# Altium PCB LimeSDR-Micro_M.2_2280_1v1.PcbDoc (part 1 of 7)
Units mm, origin at the board's own origin, x right, y up, seen from the top; angles counter-clockwise.
Board outline 80 x 22 mm, 8 copper layers (Top, L2, L3, L4, L5, L6, L7, Bottom), stack 0.775 mm thick; 661 components, 371 nets, 2334 pads, 815 vias.
Unrouted connection lines stored in the file: 254.
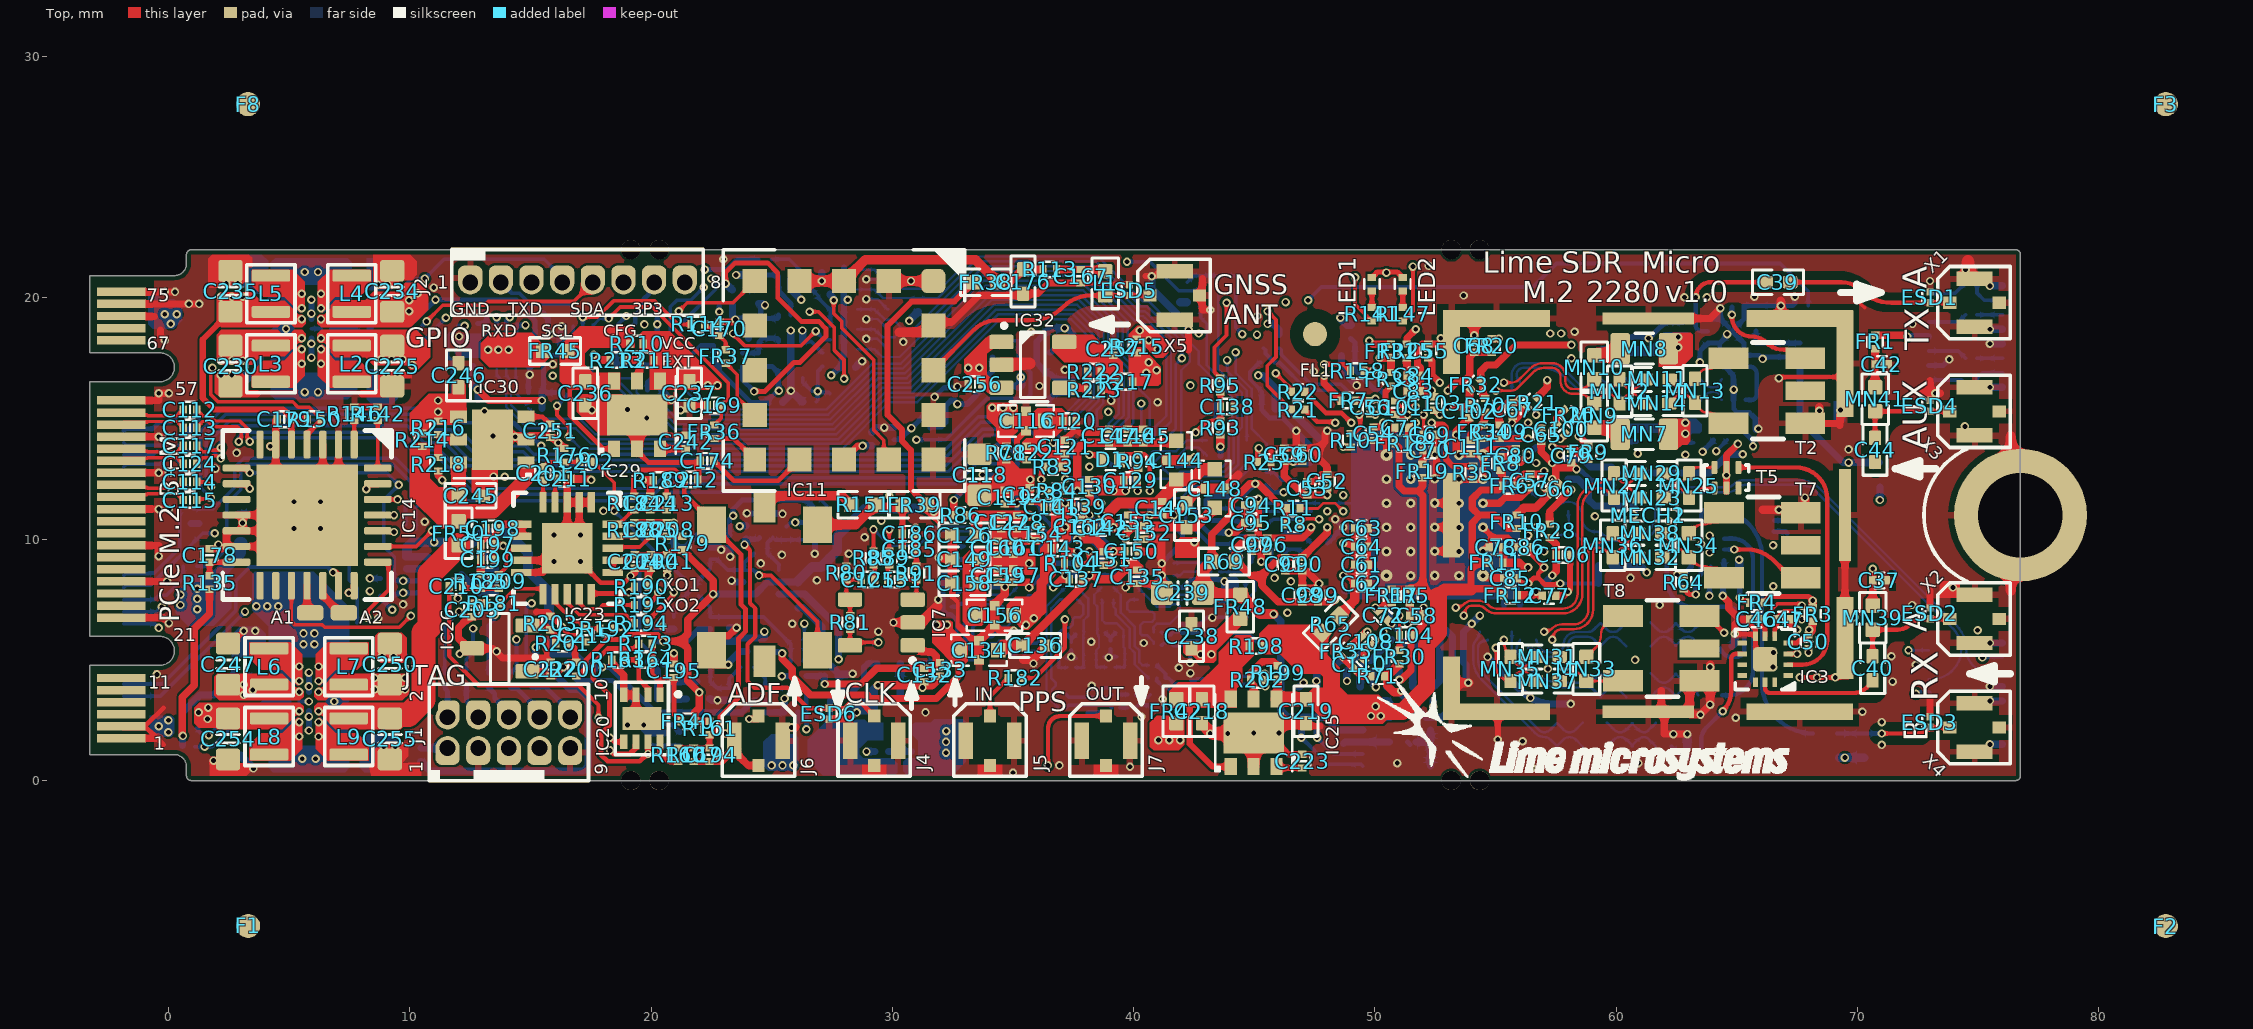
[diagram p0: Top view]
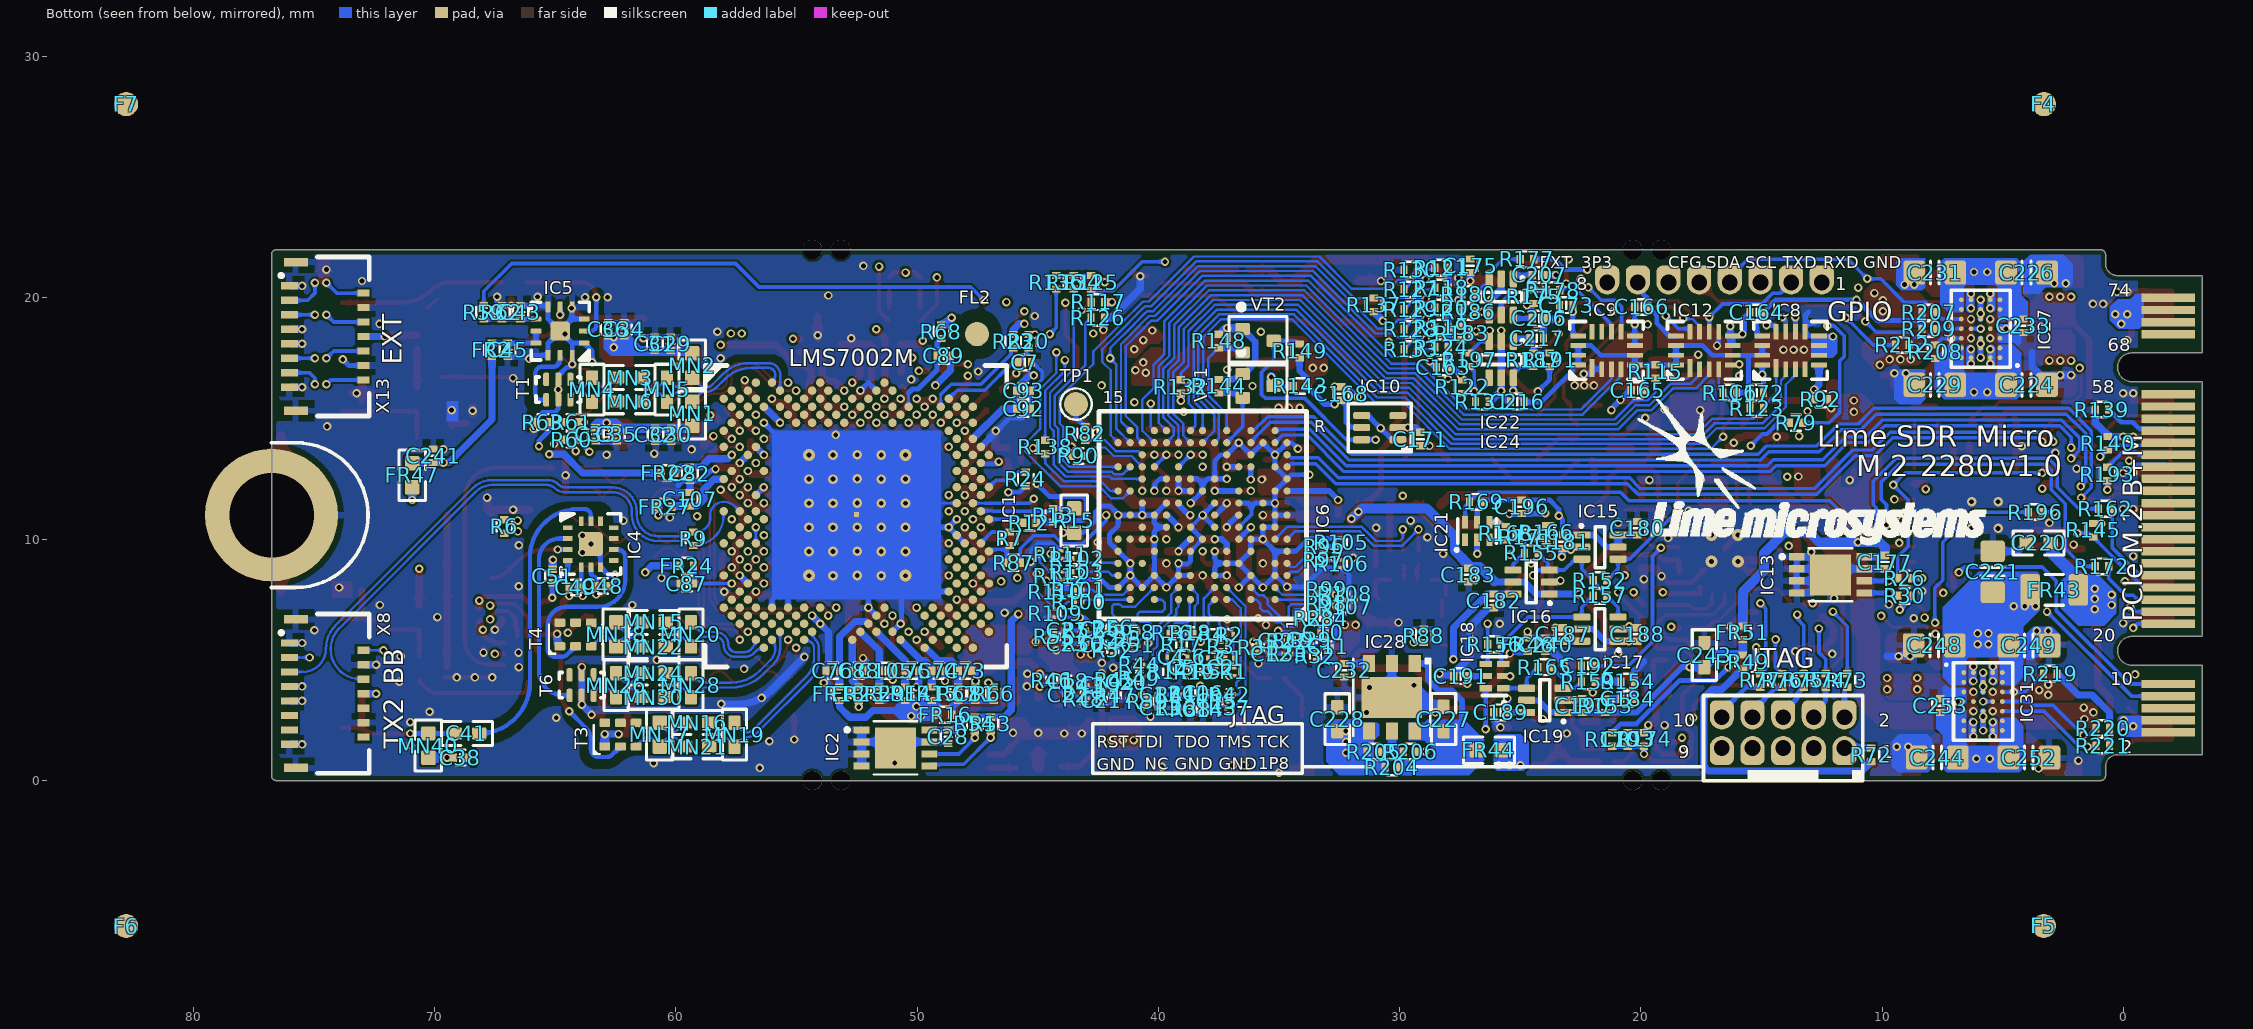
[diagram p1: Bottom view, seen from below]
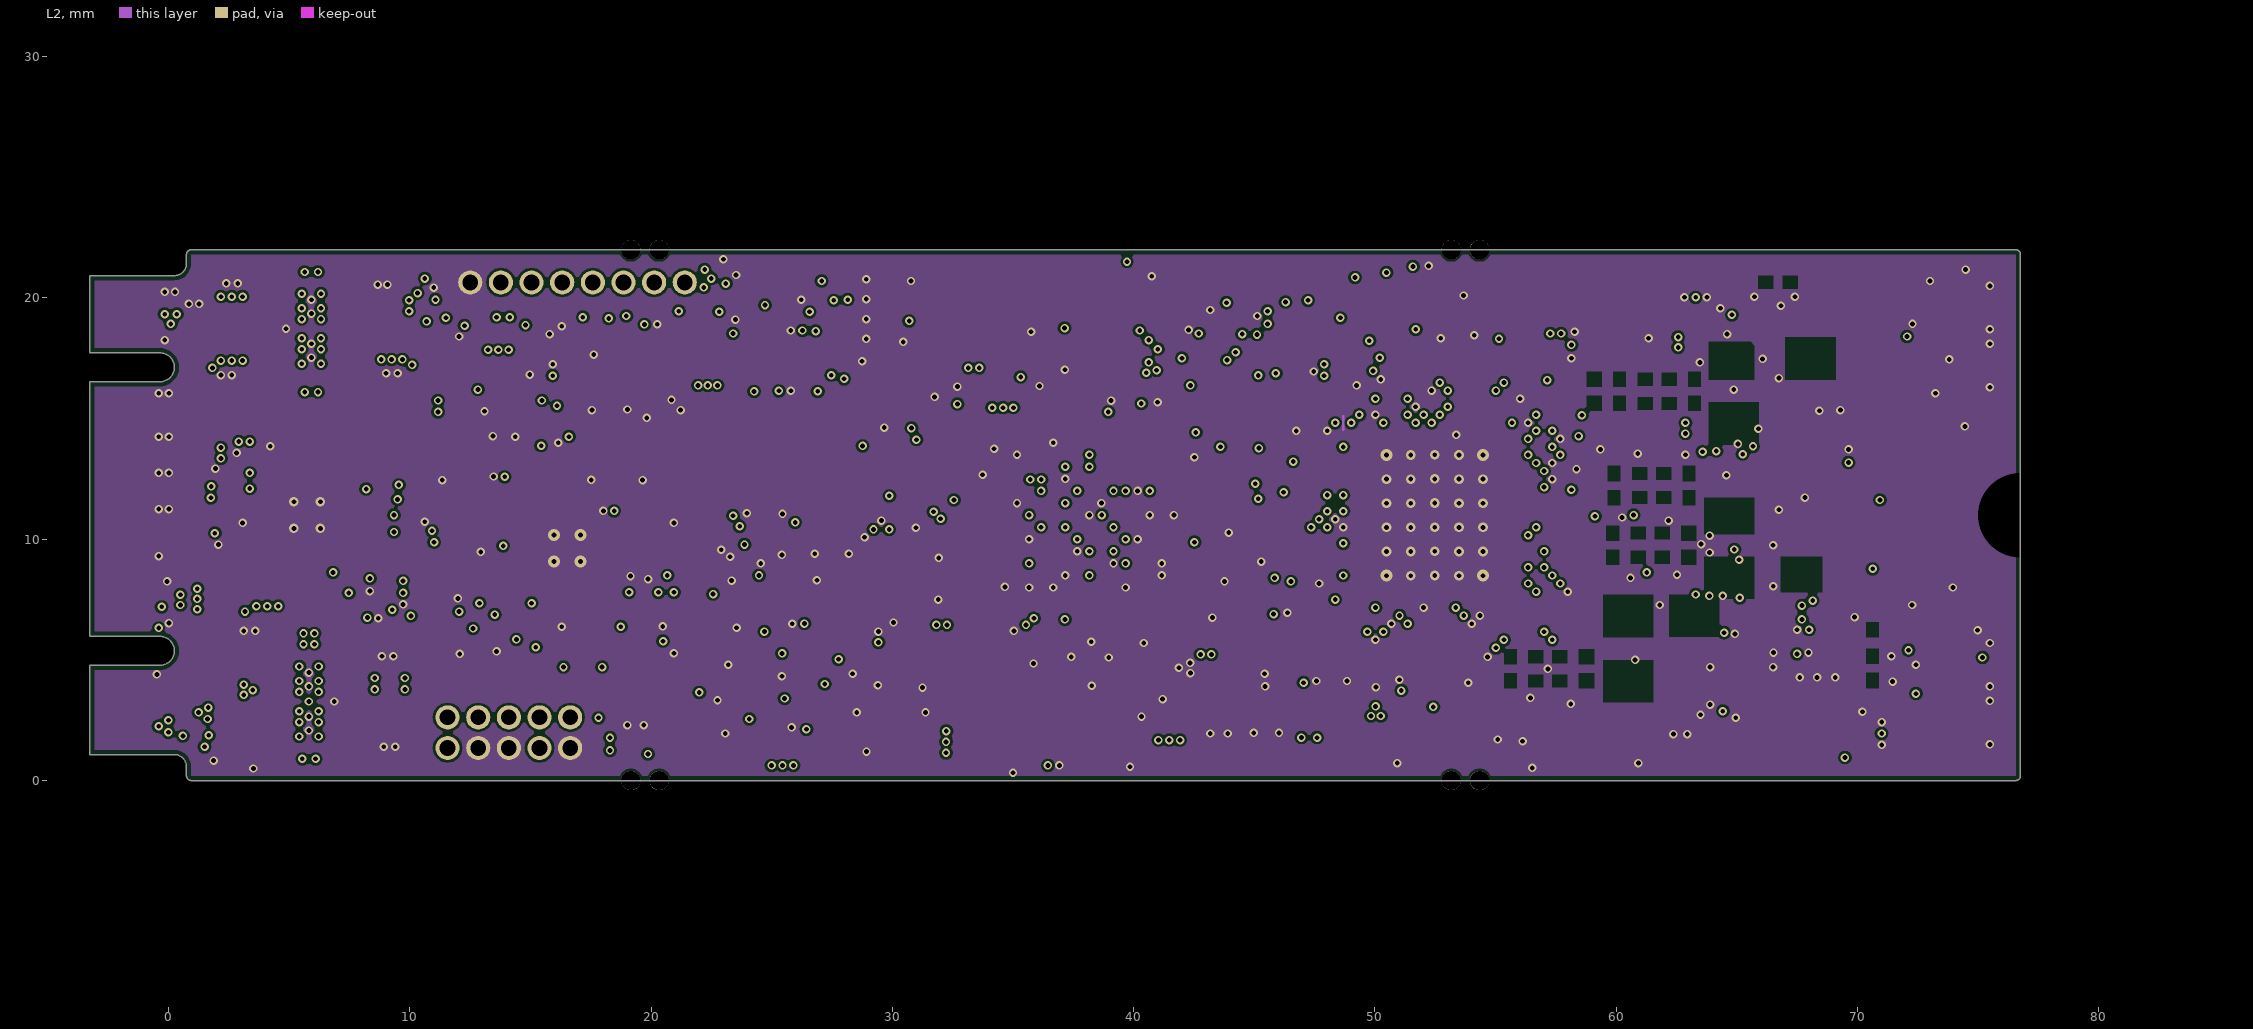
[diagram p2: L2]
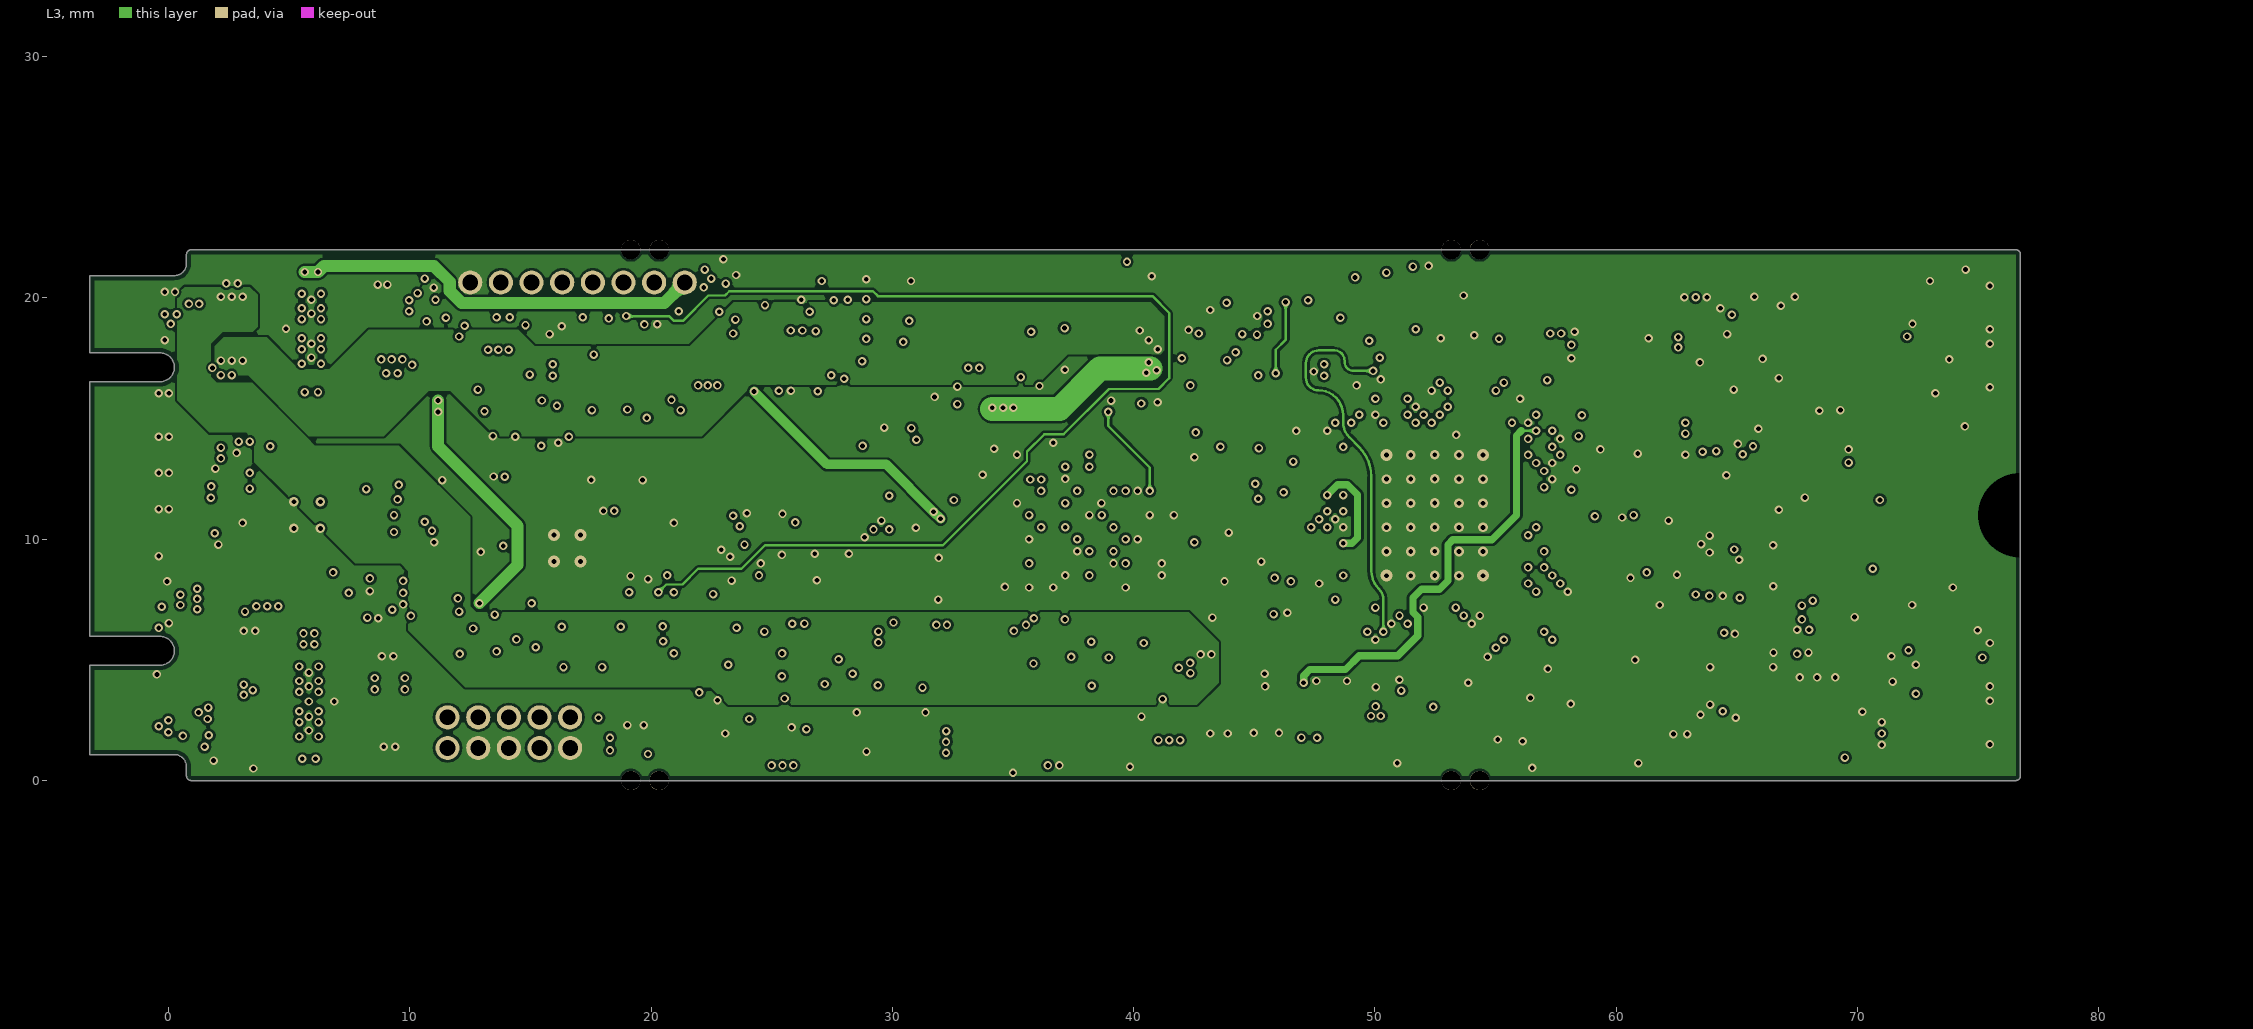
[diagram p3: L3]
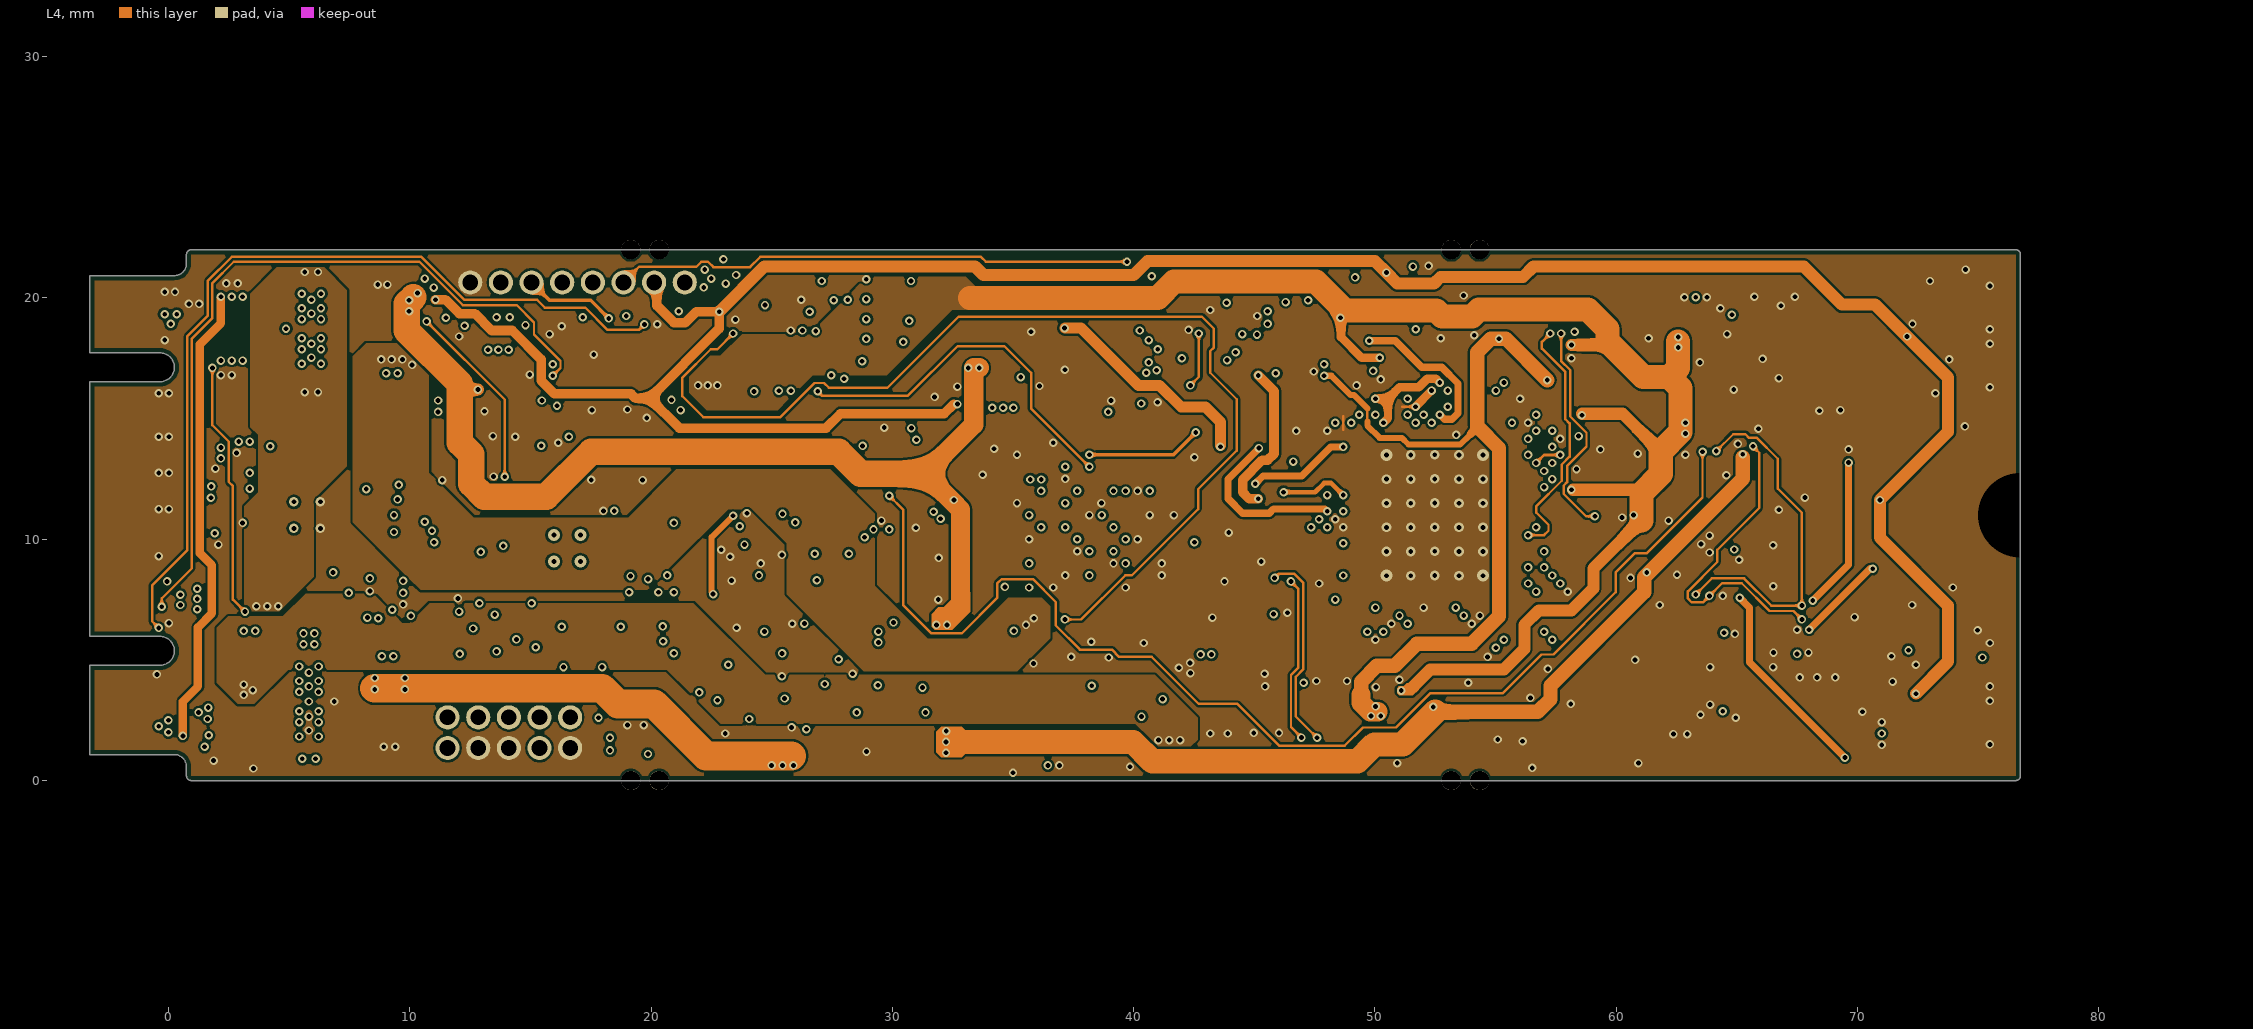
[diagram p4: L4]
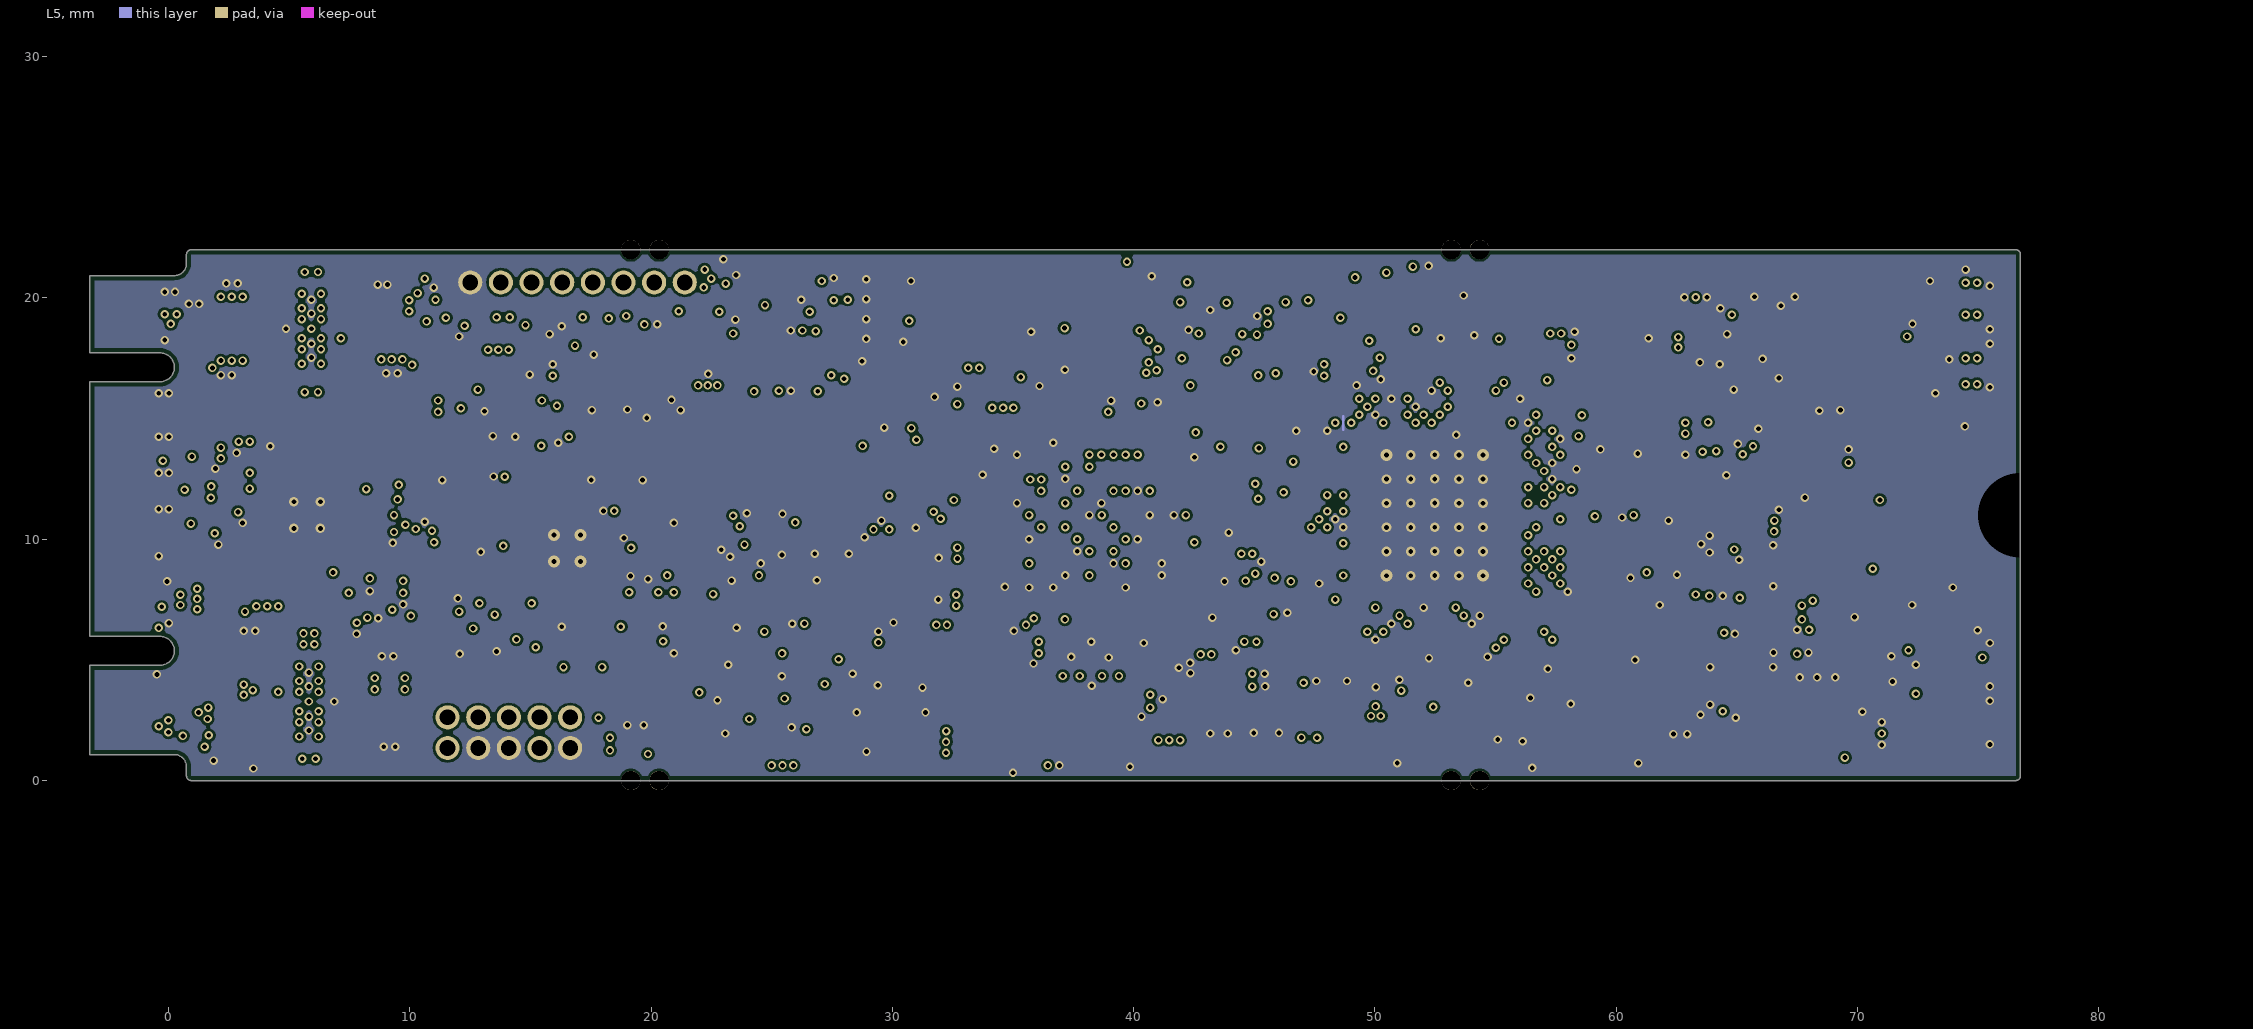
[diagram p5: L5]